# KiCad board ae89fa26-SparkFun_Thing_Plus_ESP32-S3_panelized.kicad_pcb (continued)
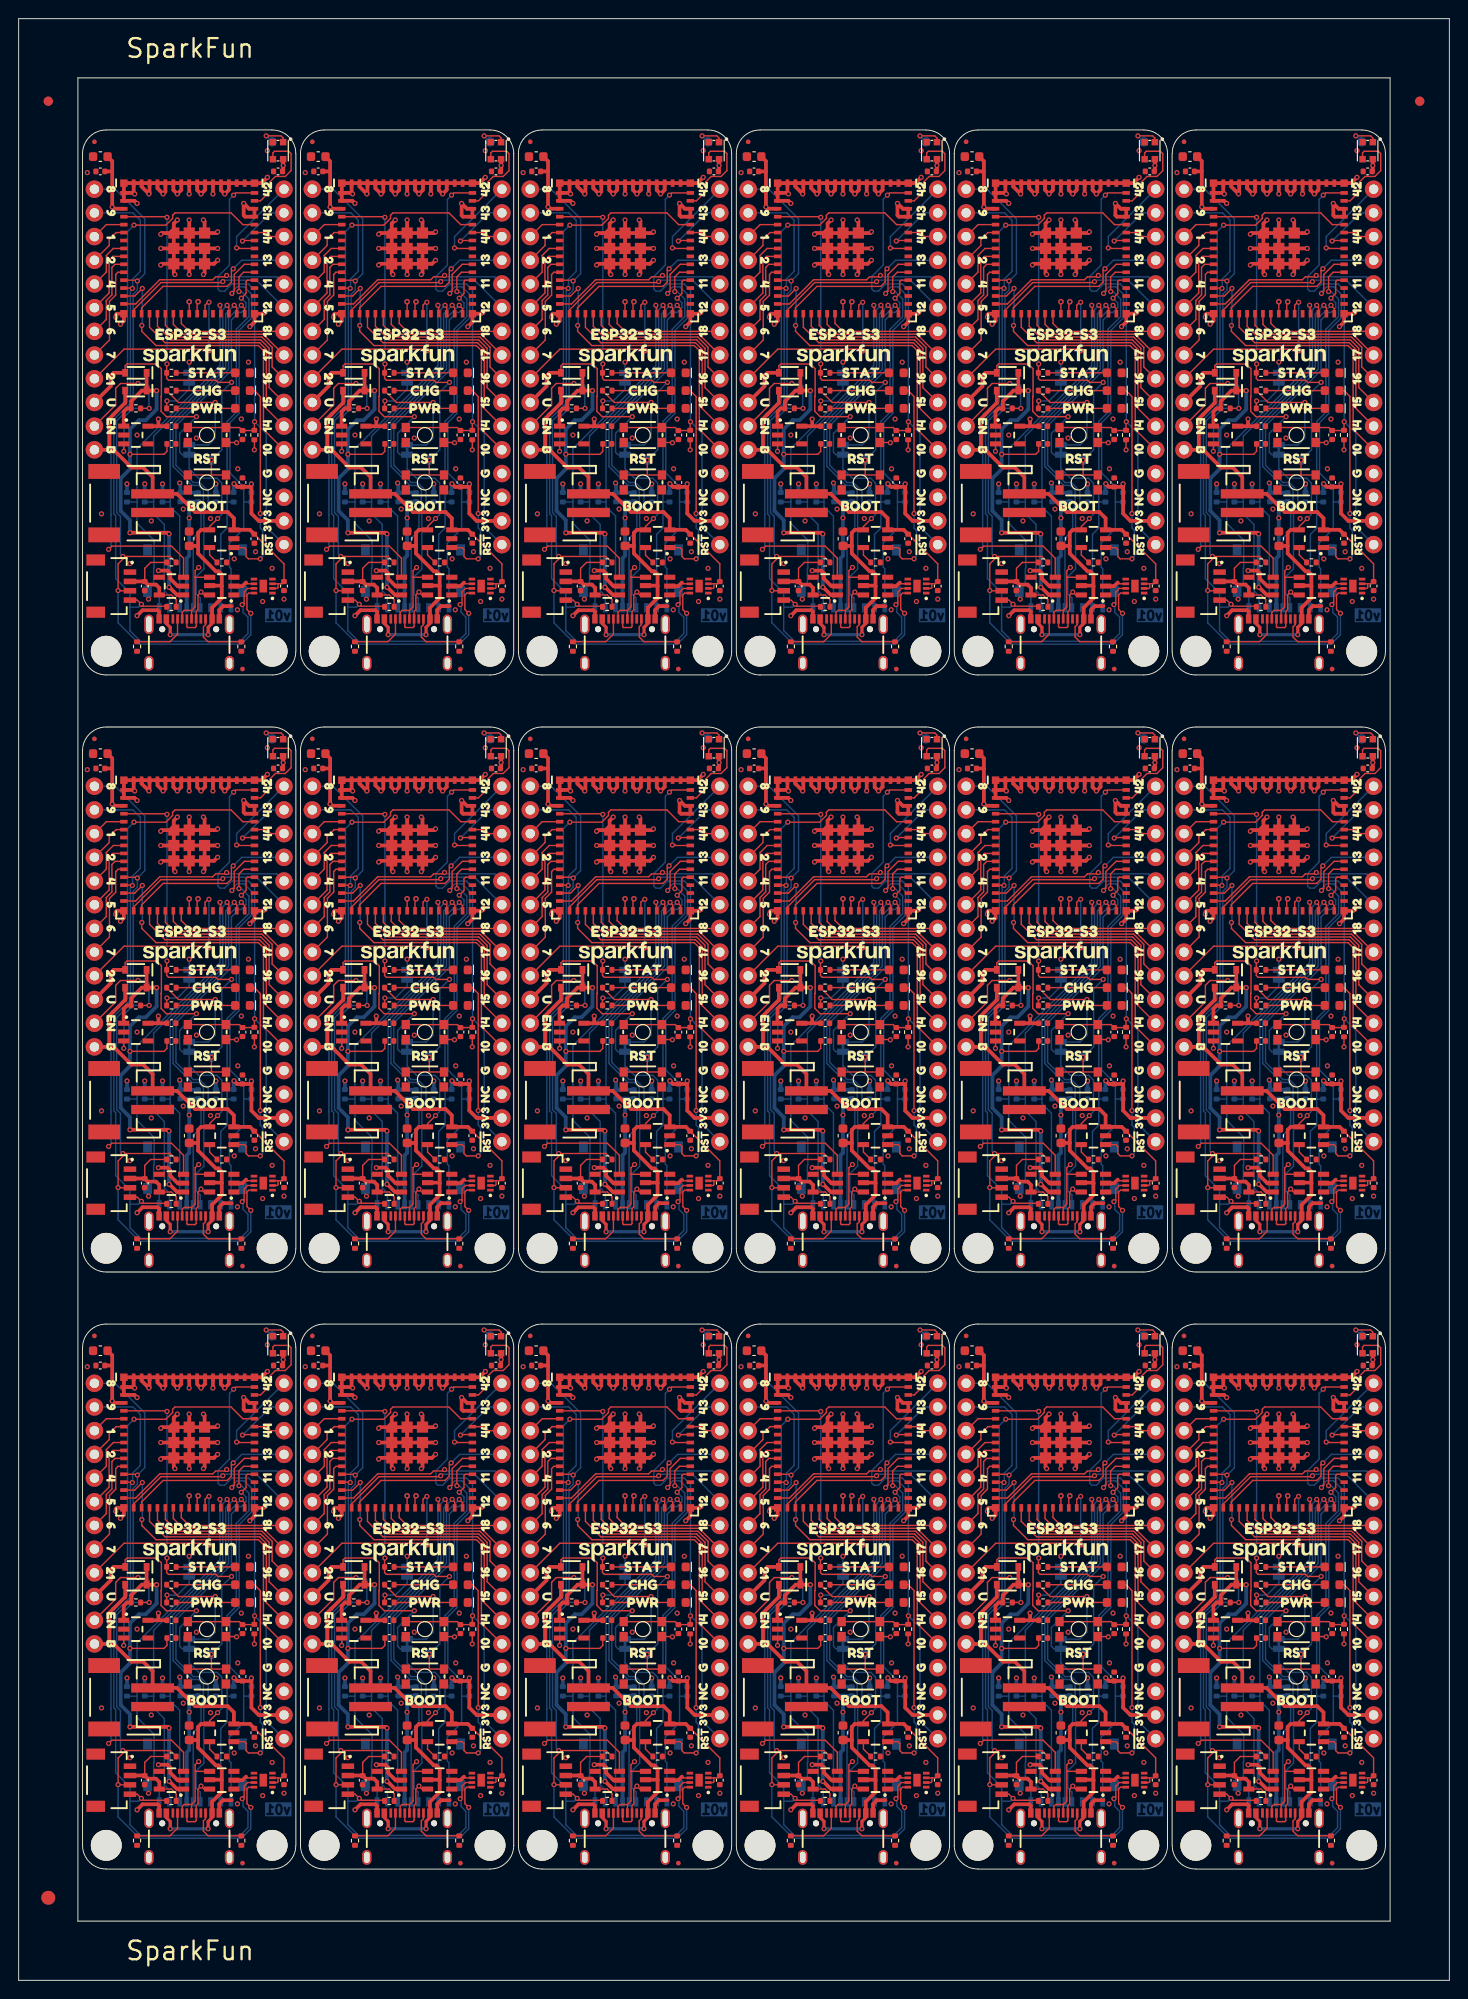
[diagram p0: board, top side]
## Routing (per net, layer and track width the routed paths; a pad name or vN(x,y) marks a point on that pad's centre or on a via; arc(x,y) is an arc through that point) (continued)
11.28,177.89 v1(10.91,177.52) ; U3#9.55 U3#9.54 ; U3#9.55 110.02,127.92 v1(110.45,127.49) 110.87,127.91 U3#9.54 ; U3#13.61 133.43,188.32 v1(133.81,188.7) ; U3#4.59 13.18,128.27 v1(13.96,127.49) 14.03,127.56 U3#4.58 ; U3#4.59 U3#4.58 ; U3#12.60 U3#12.62 U3#12.1 ; U3#12.60 129.13,127.6 ; U3#12.52 135.93,127.91 v1(136.35,127.49) 136.78,127.92 U3#12.51 ; U3#12.52 U3#12.51 ; U3#12.52 U3#12.53 ; U3#10.60 U3#10.59 ; U3#11.61 U3#11.61 ; U3#11.61 v1(88.36,60.7) ; U3#11.61 90.01,60.57 v1(89.88,60.7) ; U3#11.61 91.28,59.3 v1(91.41,59.43) ; U3#7.60 U3#7.62 U3#7.1 ; U3#7.60 59.05,191.6 ; U3#12.61 132.16,120 v1(132.03,119.87) ; U3#12.61 133.43,118.98 v1(133.56,118.86) ; U3#12.61 U3#12.61 ; U3#4.1 U3#4.2 12.42,126.75 v1(12.69,126.48) ; 44.68,120.38 44.3,120 U3#5.61 ; v1(73.13,114.79) 72.99,114.65 U3#8.64 72,113.77 v1(71.5,113.27) ; v1(86.84,118.86) 86.71,118.98 U3#15.61 ; 129.13,63.6 v1(129.24,63.49) ; 89.88,54.86 90.01,54.99 U3#11.61 ; U3#15.59 83.26,128.27 v1(84.04,127.49) 84.11,127.56 U3#15.58 ; U3#15.59 U3#15.60 ; U3#15.59 U3#15.58 ; v1(59.41,146.28) 60,146.87 61.62,146.87 61.78,146.71 J1#13.GND ; U3#2.59 36.54,64.27 v1(37.32,63.49) 37.39,63.56 U3#2.58 ; U3#2.59 U3#2.58 ; U3#2.59 U3#2.60 ; 92.91,83.31 92,83.31 91.59,82.9 J1#5.GND ; U3#7.61 67.92,187.3 v1(68.05,187.43) ; U3#7.61 66.65,188.57 v1(66.52,188.7) ; U3#7.61 U3#7.61 ; U3#17.61 63.35,54.98 v1(63.48,54.86) ; U3#17.61 U3#17.61 ; U3#17.61 62.08,56 v1(61.95,55.87) ; U3#17.61 U3#17.61 ; 69.55,83.31 68.64,83.31 68.22,82.9 J1#8.GND ; U3#8.50 67.55,127.5 v1(67.54,127.49) ; U3#8.50 U3#8.49 ; U3#12.61 132.16,123.3 v1(132.03,123.17) ; U3#12.61 U3#12.61 ; U3#12.61 133.43,124.32 v1(133.81,124.7) ; U3#3.61 U3#3.61 ; U3#3.61 v1(18.28,182.86) ; U3#11.59 U3#11.60 ; U3#11.59 U3#11.58 ; U3#11.59 83.26,64.27 v1(84.04,63.49) 84.11,63.56 U3#11.58 ; J1#14.GND 114.94,82.9 115.36,83.31 116.27,83.31 ; U3#10.61 v1(91.41,185.65) ; U3#11.57 U3#11.58 ; 105.77,191.6 v1(105.88,191.49) ; 105.77,191.6 U3#6.1 ; U3#6.61 v1(108.67,185.65) ; v1(119.85,178.79) 119.71,178.65 U3#6.64 118.72,177.77 v1(118.22,177.27) ; U3#18.61 U3#18.61 ; U3#5.55 U3#5.54 ; U3#5.55 39.94,127.92 v1(40.37,127.49) 40.79,127.91 U3#5.54 ; U3#5.55 U3#5.56 ; U3#5.54 U3#5.53 ; U3#12.61 U3#12.61 ; U3#12.61 v1(132.03,121.65) ; U3#9.48 U3#9.49 ; U3#9.48 U3#9.47 U3#9.46 U3#9.65 119.48,128.65 v1(120.1,129.27) ; U3#9.48 115.97,127.93 v1(115.53,127.49) 115.12,127.9 U3#9.49 ; U3.61 44.3,184 44.68,184.38 ; U3.61 43.29,182.99 43.16,182.86 ; U3.61 U3.61 ; U3#17.61 U3#17.61 ; U3#17.61 U3#17.61 ; U3#17.61 U3#17.61 ; U3#16.54 134.23,63.91 v1(133.81,63.49) 133.38,63.92 U3#16.55 ; U3#16.54 U3#16.55 ; U3#16.54 U3#16.53 ; U3#12.61 U3#12.61 ; U3#5.59 U3#5.60 ; U3#17.61 U3#17.61 ; U3#17.61 U3#17.61 ; U3#17.61 67.66,56 68.04,56.38 ; 59.05,191.6 v1(59.16,191.49) ; 59.05,191.6 U3#7.1 ; U3#17.1 U3#17.2 59.14,62.75 v1(59.41,62.48) ; U3#17.1 59.05,63.6 ; U3#17.1 U3#17.62 U3#17.60 ; v1(36.05,62.48) 35.78,62.75 U3#2.2 U3#2.1 ; 92.91,147.31 92,147.31 91.59,146.9 J1#17.GND ; U3#2.1 U3#2.62 U3#2.60 ; U3#2.1 35.69,63.6 ; v1(114.77,59.43) 114.64,59.3 U3#14.61 ; U3#4.61 21.2,123.3 v1(21.33,123.43) ; U3#4.61 19.93,124.57 v1(19.8,124.7) ; U3#16.61 U3#16.61 ; U3#16.61 v1(135.08,60.7) ; 46.19,83.31 45.28,83.31 44.87,82.9 44.87,81.94 ; 80.49,178.54 80.6,178.65 U3#10.63 81.36,177.89 v1(80.99,177.52) ; U3#5.60 35.69,127.6 ; U3#5.60 U3#5.62 U3#5.1 ; U3#11.49 91.76,63.9 v1(92.17,63.49) 92.61,63.93 U3#11.48 ; U3#11.49 U3#11.50 ; U3#11.49 U3#11.48 ; U3#2.61 39.99,60.32 v1(40.37,60.7) ; U3#2.61 38.72,59.3 v1(38.59,59.17) ; U3#2.61 U3#2.61 ; v1(49.77,114.79) 49.63,114.65 U3#5.64 48.64,113.77 v1(48.14,113.27) ; U1#3.2 87.12,149.46 86.33,150.25 86.33,150.82 86.03,151.11 v1(85.06,151.11) ; U3#12.49 U3#12.50 ; U3#12.49 U3#12.48 ; U3#12.49 138.48,127.9 v1(138.89,127.49) 139.33,127.93 U3#12.48 ; U3#12.50 137.63,127.5 v1(137.62,127.49) ; U3#12.50 U3#12.51 ; U3#14.49 U3#14.50 ; U3#5.61 U3#5.61 ; U3#5.61 U3#5.61 ; U3#5.61 v1(38.59,121.65) ; U3#5.61 38.72,120 v1(38.59,119.87) ; U3#5.61 39.99,118.98 v1(40.12,118.86) ; U3#5.61 U3#5.61 ; U2#4.2 140.79,21.46 141.18,21.84 ; U3#13.55 U3#13.54 ; U3#13.55 133.38,191.92 v1(133.81,191.49) 134.23,191.91 U3#13.54 ; U3#16.61 v1(135.08,54.86) ; U3#16.61 U3#16.61 ; 80.49,50.54 80.6,50.65 U3#11.63 81.36,49.89 v1(80.99,49.52) ; v1(85.31,119.87) 85.44,120 U3#15.61 ; U3#9.61 110.07,118.98 v1(110.2,118.86) ; U3#9.61 108.8,120 v1(108.67,119.87) ; U3#4.56 15.73,127.74 v1(15.49,127.49) 14.88,128.1 U3#4.57 ; U3#4.56 U3#4.57 ; v1(129.49,126.48) 129.22,126.75 U3#12.2 U3#12.1 ; U3#10.59 83.26,192.27 v1(84.04,191.49) 84.11,191.56 U3#10.58 ; U3#10.59 U3#10.58 ; v1(14.98,151.11) 15.95,151.11 16.25,150.82 16.25,150.25 17.04,149.46 U1#16.2 ; U3.51 U3.50 ; v1(129.49,146.28) 130.08,146.87 131.7,146.87 131.85,146.71 131.85,145.94 ; U3#8.61 63.35,124.32 v1(63.73,124.7) ; U3#8.61 62.08,123.3 v1(61.95,123.17) ; v1(106.13,146.28) 106.72,146.87 108.34,146.87 108.5,146.71 J1#7.GND ; U3#18.48 U3#18.47 U3#18.46 U3#18.65 26.04,64.65 v1(26.66,65.27) ; U3#14.61 v1(114.77,57.65) ; U3#14.61 U3#14.61 ; v1(15.23,55.87) 15.36,56 U3#18.61 ; U3#16.61 136.73,60.57 v1(136.6,60.7) ; U3#7.61 v1(68.05,185.65) ; U3#10.55 U3#10.56 ; U3#18.1 U3#18.2 12.42,62.75 v1(12.69,62.48) ; U3#18.1 12.33,63.6 ; U3#3.61 15.36,187.3 v1(15.23,187.17) ; U3#3.61 16.63,188.32 v1(17.01,188.7) ; v1(141.58,49.27) 142.08,49.77 U3#16.64 143.07,50.65 v1(143.21,50.79) ; v1(59.41,82.28) 60,82.87 61.62,82.87 61.78,82.71 J1#8.GND ; 129.13,191.6 v1(129.24,191.49) ; 129.13,191.6 U3#13.60 ; v1(36.05,126.48) 35.78,126.75 U3#5.2 U3#5.1 ; U3#6.57 U3#6.58 ; U3#2.58 U3#2.57 ; v1(10.91,113.52) 11.28,113.89 U3#4.63 10.52,114.65 10.41,114.54 ; J1.GND 21.5,82.9 21.92,83.31 22.83,83.31 ; v1(12.69,146.28) 13.28,146.87 14.9,146.87 15.06,146.71 J1#15.GND ; 24.38,21.84 24,21.46 U2#18.2 ; v1(14.98,87.11) 15.95,87.11 16.25,86.82 16.25,86.25 17.04,85.46 U1.2 ; J1#18.GND 15.06,18.71 14.9,18.87 13.28,18.87 v1(12.69,18.28) ; 117.82,21.84 117.44,21.46 U2#15.2 ; U3#5.61 U3#5.61 ; U3#5.61 v1(41.64,118.86) ; U3#5.61 U3#5.61 ; U3#5.61 43.29,118.99 43.16,118.86 ; U3#17.61 v1(68.05,57.65) ; U3#14.1 U3#14.62 U3#14.60 ; U3#14.1 U3#14.2 105.86,62.75 v1(106.13,62.48) ; U3#9.54 U3#9.53 ; U3#4.49 U3#4.48 ; U3#4.49 21.68,127.9 v1(22.09,127.49) 22.53,127.93 U3#4.48 ; U3#7.61 U3#7.61 ; U3#7.61 v1(61.95,185.65) ; U3#7.61 62.08,184 v1(61.95,183.87) ; U3#7.61 63.35,182.98 v1(63.48,182.86) ; U3#7.61 v1(65,188.7) ; U3#17.55 63.3,63.92 v1(63.73,63.49) 64.15,63.91 U3#17.54 ; U3#17.55 U3#17.56 ; U3#17.55 U3#17.54 ; U3.61 43.29,188.57 v1(43.16,188.7) ; U3#14.61 U3#14.61 ; U3#14.61 U3#14.61 ; U3#13.58 130.83,191.56 v1(130.76,191.49) 129.98,192.27 U3#13.59 ; U3#13.58 U3#13.59 ; v1(80.99,113.52) 81.36,113.89 U3#15.63 80.6,114.65 80.49,114.54 ; 44.68,56.38 44.3,56 U3#2.61 ; v1(85.31,187.17) 85.44,187.3 U3#10.61 ; U3#2.61 43.29,54.99 43.16,54.86 ; U3#2.61 U3#2.61 ; v1(127.71,113.52) 128.08,113.89 U3#12.63 127.32,114.65 127.21,114.54 ; U3#5.52 U3#5.53 ; U3#14.60 U3#14.59 ; 85.13,145.94 85.13,146.71 84.98,146.87 83.36,146.87 v1(82.77,146.28) ; U3#10.61 U3#10.61 ; U3#10.61 v1(85.31,185.65) ; v1(49.77,50.79) 49.63,50.65 U3#2.64 48.64,49.77 v1(48.14,49.27) ; v1(21.33,187.43) 21.2,187.3 U3#3.61 ; v1(19.8,188.7) 19.93,188.57 U3#3.61 ; U3#12.55 U3#12.54 ; U3#12.55 133.38,127.92 v1(133.81,127.49) 134.23,127.91 U3#12.54 ; U3#12.54 U3#12.53 ; v1(106.13,190.48) 105.86,190.75 U3#6.2 U3#6.1 ; U3#11.48 U3#11.47 U3#11.46 U3#11.65 96.12,64.65 v1(96.74,65.27) ; 21.32,120.38 20.94,120 U3#4.61 ; U3#6.61 114.38,184 114.76,184.38 ; U3#10.61 86.71,188.32 v1(87.09,188.7) ; U3#13.61 U3#13.61 ; U3#18.55 U3#18.56 ; U3#8.53 v1(65,127.49) ; U3#16.61 137.74,56 138.12,56.38 ; U3#16.61 136.73,54.99 136.6,54.86 ; U3#16.61 U3#16.61 ; v1(12.69,82.28) 13.28,82.87 14.9,82.87 15.06,82.71 J1.GND ; U3#8.61 U3#8.61 ; U3#8.61 v1(68.05,121.65) ; U3#4.61 19.93,118.99 19.8,118.86 ; U3#17.56 62.45,63.74 v1(62.21,63.49) 61.6,64.1 U3#17.57 ; U3#17.56 U3#17.57 ; U3#11.61 v1(88.36,54.86) ; U3#11.61 U3#11.61 ; U3#8.48 U3#8.47 U3#8.46 U3#8.65 72.76,128.65 v1(73.38,129.27) ; U3#8.48 U3#8.49 ; U3#8.48 69.25,127.93 v1(68.81,127.49) 68.4,127.9 U3#8.49 ; U3#5.61 v1(44.69,121.65) ; U3#11.61 91.02,56 91.4,56.38 ; U3#14.61 v1(111.72,54.86) ; U3#6.61 v1(111.72,188.7) ; U3#3.52 19.13,191.91 v1(19.55,191.49) 19.98,191.92 U3#3.51 ; U3#3.52 U3#3.51 ; 117.82,85.84 117.44,85.46 U2#8.2 ; v1(26.66,129.27) 26.04,128.65 U3#4.65 U3#4.46 U3#4.47 U3#4.48 ; U3#13.59 U3#13.60 ; U3#3.50 20.83,191.5 v1(20.82,191.49) ; U3#3.50 U3#3.49 ; U3#3.50 U3#3.51 ; U3#12.61 v1(138.13,121.65) ; U3#17.54 U3#17.53 ; U3#17.53 U3#17.52 ; U3#17.53 v1(65,63.49) ; U3#5.61 38.72,123.3 v1(38.59,123.17) ; U3#5.61 39.99,124.32 v1(40.37,124.7) ; v1(85.06,23.11) 86.03,23.11 86.33,22.82 86.33,22.25 87.12,21.46 U1#8.2 ; U3#18.57 14.88,64.1 v1(15.49,63.49) 15.73,63.74 U3#18.56 ; U3#18.57 U3#18.56 ; U3#17.61 v1(65,54.86) ; v1(94.86,177.27) 95.36,177.77 U3#10.64 96.35,178.65 v1(96.49,178.79) ; U3.58 U3.59 ; U3.58 37.39,191.56 v1(37.32,191.49) 36.54,192.27 U3.59 ; U3.59 U3.60 ; U3#17.61 v1(61.95,57.65) ; U3#2.50 44.19,63.5 v1(44.18,63.49) ; 44.87,145.94 44.87,146.9 45.28,147.31 46.19,147.31 ; U3#11.52 U3#11.53 ; U3#2.52 U3#2.53 ; v1(108.42,23.11) 109.39,23.11 109.69,22.82 109.69,22.25 110.48,21.46 U1#7.2 ; U3#13.61 v1(138.13,185.65) ; U3#16.55 U3#16.56 ; v1(114.26,63.49) 114.27,63.5 U3#14.50 ; 35.69,127.6 v1(35.8,127.49) ; 35.69,127.6 U3#5.1 ; U3#4.57 U3#4.58 ; v1(34.27,49.52) 34.64,49.89 U3#2.63 33.88,50.65 33.77,50.54 ; 139.63,147.31 138.72,147.31 138.31,146.9 J1#11.GND ; U3#11.53 v1(88.36,63.49) ; 22.83,19.31 21.92,19.31 21.5,18.9 J1#18.GND ; U3#2.54 U3#2.53 ; 10.41,50.54 10.52,50.65 U3#18.63 11.28,49.89 v1(10.91,49.52) ; v1(38.59,187.17) 38.72,187.3 U3.61 ; 139.63,83.31 138.72,83.31 138.31,82.9 J1#10.GND ; U2#6.2 70.72,149.46 71.1,149.84 ; U3#9.61 U3#9.61 ; U3#9.61 v1(111.72,124.7) ; U3#9.61 108.8,123.3 v1(108.67,123.17) ; U2#2.2 24,85.46 24.38,85.84 ; v1(61.7,151.11) 62.67,151.11 62.97,150.82 62.97,150.25 63.76,149.46 U1#10.2 ; v1(106.13,82.28) 106.72,82.87 108.34,82.87 108.5,82.71 J1#14.GND ; 59.05,63.6 v1(59.16,63.49) ; 59.05,63.6 U3#17.60 ; v1(61.7,23.11) 62.67,23.11 62.97,22.82 62.97,22.25 63.76,21.46 U1#11.2 ; U3#16.53 v1(135.08,63.49) ; U3#16.61 v1(138.13,57.65) ; U1#13.2 87.12,85.46 86.33,86.25 86.33,86.82 86.03,87.11 v1(85.06,87.11) ; v1(96.49,50.79) 96.35,50.65 U3#11.64 95.36,49.77 v1(94.86,49.27) ; 94.46,21.84 94.07,21.46 U2#11.2 ; v1(138.13,187.43) 138,187.3 U3#13.61 ; J1#6.GND 108.5,18.71 108.34,18.87 106.72,18.87 v1(106.13,18.28) ; U3#14.61 v1(111.72,60.7) ; U3#14.61 U3#14.61 ; U3#12.1 129.13,127.6 ; v1(94.86,113.27) 95.36,113.77 U3#15.64 96.35,114.65 v1(96.49,114.79) ; v1(26.41,178.79) 26.27,178.65 U3#3.64 25.28,177.77 v1(24.78,177.27) ; 69.55,19.31 68.64,19.31 68.22,18.9 J1#2.GND ; U3#2.53 v1(41.64,63.49) ; 129.13,127.6 v1(129.24,127.49) ; v1(38.34,87.11) 39.31,87.11 39.61,86.82 39.61,86.25 40.4,85.46 U1#14.2 ; U3#2.61 v1(44.69,57.65) ; U3#12.53 v1(135.08,127.49) ; v1(141.58,113.27) 142.08,113.77 U3#12.64 143.07,114.65 v1(143.21,114.79) ; U3#2.60 35.69,63.6 ; 35.69,63.6 v1(35.8,63.49) ; 57.13,114.54 57.24,114.65 U3#8.63 58,113.89 v1(57.63,113.52) ; 12.33,63.6 v1(12.44,63.49) ; U3#18.61 v1(21.33,57.65) ; U3#14.61 113.37,60.57 v1(113.24,60.7) ; 22.83,147.31 21.92,147.31 21.5,146.9 J1#15.GND ; U3.61 39.99,188.32 v1(40.37,188.7) ; U2#7.2 140.79,85.46 141.18,85.84 ; v1(119.85,114.79) 119.71,114.65 U3#9.64 118.72,113.77 v1(118.22,113.27) ; 46.19,19.31 45.28,19.31 44.87,18.9 44.87,17.94 ; v1(104.35,177.52) 104.72,177.89 U3#6.63 103.96,178.65 103.85,178.54 ; 85.13,17.94 85.13,18.71 84.98,18.87 83.36,18.87 v1(82.77,18.28) ; U3#5.53 v1(41.64,127.49) ; 116.27,147.31 115.36,147.31 114.94,146.9 J1#7.GND ; U2#14.2 70.72,85.46 71.1,85.84 ; v1(143.21,178.79) 143.07,178.65 U3#13.64 142.08,177.77 v1(141.58,177.27) ; U3#9.53 v1(111.72,127.49) ; U3.61 v1(44.69,185.65) ; 94.46,85.84 94.07,85.46 U2#9.2 ; U2#10.2 140.79,149.46 141.18,149.84 ; U1#5.2 40.4,21.46 39.61,22.25 39.61,22.82 39.31,23.11 v1(38.34,23.11) ; v1(127.71,177.52) 128.08,177.89 U3#13.63 127.32,178.65 127.21,178.54 ; U1#12.2 110.48,149.46 109.69,150.25 109.69,150.82 109.39,151.11 v1(108.42,151.11) ; 71.1,21.84 70.72,21.46 U2#5.2 ; U3#2.61 v1(38.59,57.65) ; U3#12.42 141.08,125.05 140.92,125.21 v1(140.92,126.48) 141.5,125.9 U3#12.43 U3#12.42 ; 140.92,61.21 v1(140.92,62.48) 141.5,61.9 U3#16.43 U3#16.42 141.08,61.05 140.92,61.21 ; U3#18.42 24.28,61.05 24.12,61.21 v1(24.12,62.48) 24.7,61.9 U3#18.43 U3#18.42 ; 71.42,189.9 v1(70.84,190.48) 70.84,189.21 71,189.05 U3#7.42 U3#7.43 71.42,189.9 ; 24.28,125.05 24.12,125.21 v1(24.12,126.48) 24.7,125.9 U3#4.43 U3#4.42 24.28,125.05 ; 118.14,61.9 v1(117.56,62.48) 117.56,61.21 117.72,61.05 U3#14.42 U3#14.43 118.14,61.9 ; 94.36,189.05 94.2,189.21 v1(94.2,190.48) 94.78,189.9 U3#10.43 U3#10.42 94.36,189.05 ; 94.36,125.05 94.2,125.21 v1(94.2,126.48) 94.78,125.9 U3#15.43 U3#15.42 94.36,125.05 ; 47.64,189.05 47.48,189.21 v1(47.48,190.48) 48.06,189.9 U3.43 U3.42 47.64,189.05 ; U3#3.43 24.7,189.9 v1(24.12,190.48) 24.12,189.21 24.28,189.05 U3#3.42 U3#3.43 ; 94.36,61.05 94.2,61.21 v1(94.2,62.48) 94.78,61.9 U3#11.43 U3#11.42 94.36,61.05 ; 117.56,189.21 v1(117.56,190.48) 118.14,189.9 U3#6.43 U3#6.42 117.72,189.05 117.56,189.21 ; 117.56,125.21 v1(117.56,126.48) 118.14,125.9 U3#9.43 U3#9.42 117.72,125.05 117.56,125.21 ; 141.5,189.9 v1(140.92,190.48) 140.92,189.21 141.08,189.05 U3#13.42 U3#13.43 141.5,189.9 ; 70.84,61.21 v1(70.84,62.48) 71.42,61.9 U3#17.43 U3#17.42 71,61.05 70.84,61.21 ; 71,125.05 70.84,125.21 v1(70.84,126.48) 71.42,125.9 U3#8.43 U3#8.42 71,125.05 ; 48.06,61.9 v1(47.48,62.48) 47.48,61.21 47.64,61.05 U3#2.42 U3#2.43 48.06,61.9 ; U3#5.42 U3#5.43 48.06,125.9 v1(47.48,126.48) 47.48,125.21 47.64,125.05 U3#5.42
  Bottom w0.406: v1(110.7,160.5) 110.77,160.44 C4#15.2 C5#16.2 ; C5#10.2 C4#12.2 87.41,96.44 v1(87.34,96.5) ; C5#12.2 C4#13.2 87.41,160.44 v1(87.34,160.5) ; C5#18.2 C4.2 17.33,32.44 v1(17.26,32.5) ; C5#4.2 C4#10.2 40.69,32.44 v1(40.62,32.5) ; C5#5.2 C4#4.2 40.69,96.44 v1(40.62,96.5) ; v1(134.06,32.5) 134.13,32.44 C4#16.2 C5#13.2 ; v1(87.34,32.5) 87.41,32.44 C4#11.2 C5#11.2 ; v1(110.7,32.5) 110.77,32.44 C4#3.2 C5#3.2 ; C5#2.2 C4#6.2 17.33,96.44 v1(17.26,96.5) ; C5#14.2 C4#18.2 134.13,160.44 v1(134.06,160.5) ; C5.2 C4#8.2 17.33,160.44 v1(17.26,160.5) ; v1(134.06,96.5) 134.13,96.44 C4#17.2 C5#17.2 ; C5#15.2 C4#14.2 110.77,96.44 v1(110.7,96.5) ; C5#8.2 C4#7.2 64.05,32.44 v1(63.98,32.5) ; C5#7.2 C4#9.2 64.05,96.44 v1(63.98,96.5) ; v1(40.62,160.5) 40.69,160.44 C4#5.2 C5#6.2 ; v1(63.98,160.5) 64.05,160.44 C4#2.2 C5#9.2
  vias: v1(7.36,193.78) v1(7.36,129.78) v1(7.36,65.78) v1(8.88,157.2) v1(8.88,93.2) v1(8.88,29.2) v1(10.41,178.28) v1(10.41,114.28) v1(10.41,50.28) v1(11.93,151.87) v1(11.93,87.87) v1(11.93,23.87) v1(12.69,165.65) v1(12.69,101.65) v1(12.69,37.65) v1(13.92,148.06) v1(13.92,84.06) v1(13.92,20.06) v1(14.22,156.44) v1(14.22,92.44) v1(14.22,28.44) v1(17.64,157.71) v1(17.64,93.71) v1(17.64,29.71) v1(19.05,165.32) v1(19.05,101.32) v1(19.05,37.32) v1(19.8,182.86) v1(19.8,118.86) v1(19.8,54.86) v1(20.57,156.69) v1(20.57,92.69) v1(20.57,28.69) v1(21.33,184.38) v1(21.33,120.38) v1(21.33,56.38) v1(23.11,152.38) v1(23.11,88.38) v1(23.11,24.38) v1(23.49,162.03) v1(23.45,146.92) v1(23.49,98.03) v1(23.45,82.92) v1(23.49,34.03) v1(23.45,18.92) v1(23.87,167.36) v1(23.87,103.36) v1(23.87,39.36) v1(24.63,173.46) v1(24.63,109.46) v1(24.63,45.46) v1(25.39,153.14) v1(25.39,89.14) v1(25.39,25.14) v1(26.15,147.8) v1(26.15,83.8) v1(26.15,19.8) v1(26.66,196.13) v1(26.66,132.13) v1(26.66,68.13) v1(27.17,151.36) v1(27.17,87.36) v1(27.17,23.36) v1(28.44,148.06) v1(28.44,84.06) v1(28.44,20.06) v1(30.72,193.78) v1(30.72,129.78) v1(30.72,65.78) v1(32.24,157.2) v1(32.24,93.2) v1(32.24,29.2) v1(33.77,178.28) v1(33.77,114.28) v1(33.77,50.28) v1(35.29,151.87) v1(35.29,87.87) v1(35.29,23.87) v1(36.05,165.65) v1(36.05,101.65) v1(36.05,37.65) v1(37.28,148.06) v1(37.28,84.06) v1(37.28,20.06) v1(37.58,156.44) v1(37.58,92.44) v1(37.58,28.44) v1(41,157.71) v1(41,93.71) v1(41,29.71) v1(42.41,165.32) v1(42.41,101.32) v1(42.41,37.32) v1(43.16,182.86) v1(43.16,118.86) v1(43.16,54.86) v1(43.93,156.69) v1(43.93,92.69) v1(43.93,28.69) v1(44.69,184.38) v1(44.69,120.38) v1(44.69,56.38) v1(46.47,152.38) v1(46.47,88.38) v1(46.47,24.38) v1(46.85,162.03) v1(46.81,146.92) v1(46.85,98.03) v1(46.81,82.92) v1(46.85,34.03) v1(46.81,18.92) v1(47.23,167.36) v1(47.23,103.36) v1(47.23,39.36) v1(47.99,173.46) v1(47.99,109.46) v1(47.99,45.46) v1(48.75,153.14) v1(48.75,89.14) v1(48.75,25.14) v1(49.51,147.8) v1(49.51,83.8) v1(49.51,19.8) v1(50.02,196.13) v1(50.02,132.13) v1(50.02,68.13) v1(50.53,151.36) v1(50.53,87.36) v1(50.53,23.36) v1(51.8,148.06) v1(51.8,84.06) v1(51.8,20.06) v1(54.08,193.78) v1(54.08,129.78) v1(54.08,65.78) v1(55.6,157.2) v1(55.6,93.2) v1(55.6,29.2) v1(57.13,178.28) v1(57.13,114.28) v1(57.13,50.28) v1(58.65,151.87) v1(58.65,87.87) v1(58.65,23.87) v1(59.41,165.65) v1(59.41,101.65) v1(59.41,37.65) v1(60.64,148.06) v1(60.64,84.06) v1(60.64,20.06) v1(60.94,156.44) v1(60.94,92.44) v1(60.94,28.44) v1(64.36,157.71) v1(64.36,93.71) v1(64.36,29.71) v1(65.77,165.32) v1(65.77,101.32) v1(65.77,37.32) v1(66.52,182.86) v1(66.52,118.86) v1(66.52,54.86) v1(67.29,156.69) v1(67.29,92.69) v1(67.29,28.69) v1(68.05,184.38) v1(68.05,120.38) v1(68.05,56.38) v1(69.83,152.38) v1(69.83,88.38) v1(69.83,24.38) v1(70.17,146.92) v1(70.17,82.92) v1(70.17,18.92) v1(70.21,162.03) v1(70.21,98.03) v1(70.21,34.03) v1(70.59,167.36) v1(70.59,103.36) v1(70.59,39.36) v1(71.35,173.46) v1(71.35,109.46) v1(71.35,45.46) v1(72.11,153.14) v1(72.11,89.14) v1(72.11,25.14) v1(72.87,147.8) v1(72.87,83.8) v1(72.87,19.8) v1(73.38,196.13) v1(73.38,132.13) v1(73.38,68.13) v1(73.89,151.36) v1(73.89,87.36) v1(73.89,23.36) v1(75.16,148.06) v1(75.16,84.06) v1(75.16,20.06) v1(77.44,193.78) v1(77.44,129.78) v1(77.44,65.78) v1(78.96,157.2) v1(78.96,93.2) v1(78.96,29.2) v1(80.49,178.28) v1(80.49,114.28) v1(80.49,50.28) v1(82.01,151.87) v1(82.01,87.87) v1(82.01,23.87) v1(82.77,165.65) v1(82.77,101.65) v1(82.77,37.65) v1(84,148.06) v1(84,84.06) v1(84,20.06) v1(84.3,156.44) v1(84.3,92.44) v1(84.3,28.44) v1(87.72,157.71) v1(87.72,93.71) v1(87.72,29.71) v1(89.13,165.32) v1(89.13,101.32) v1(89.13,37.32) v1(89.88,182.86) v1(89.88,118.86) v1(89.88,54.86) v1(90.65,156.69) v1(90.65,92.69) v1(90.65,28.69) v1(91.41,184.38) v1(91.41,120.38) v1(91.41,56.38) v1(93.19,152.38) v1(93.19,88.38) v1(93.19,24.38) v1(93.57,162.03) v1(93.53,146.92) v1(93.57,98.03) v1(93.53,82.92) v1(93.57,34.03) v1(93.53,18.92) v1(93.95,167.36) v1(93.95,103.36) v1(93.95,39.36) v1(94.71,173.46) v1(94.71,109.46) v1(94.71,45.46) v1(95.47,153.14) v1(95.47,89.14) v1(95.47,25.14) v1(96.23,147.8) v1(96.23,83.8) v1(96.23,19.8) v1(96.74,196.13) v1(96.74,132.13) v1(96.74,68.13) v1(97.25,151.36) v1(97.25,87.36) v1(97.25,23.36) v1(98.52,148.06) v1(98.52,84.06) v1(98.52,20.06) v1(100.8,193.78) v1(100.8,129.78) v1(100.8,65.78) v1(102.32,157.2) v1(102.32,93.2) v1(102.32,29.2) v1(103.85,178.28) v1(103.85,114.28) v1(103.85,50.28) v1(105.37,151.87) v1(105.37,87.87) v1(105.37,23.87) v1(106.13,165.65) v1(106.13,101.65) v1(106.13,37.65) v1(107.36,148.06) v1(107.36,84.06) v1(107.36,20.06) v1(107.66,156.44) v1(107.66,92.44) v1(107.66,28.44) v1(111.08,157.71) v1(111.08,93.71) v1(111.08,29.71) v1(112.49,165.32) v1(112.49,101.32) v1(112.49,37.32) v1(113.24,182.86) v1(113.24,118.86) v1(113.24,54.86) v1(114.01,156.69) v1(114.01,92.69) v1(114.01,28.69) v1(114.77,184.38) v1(114.77,120.38) v1(114.77,56.38) v1(116.55,152.38) v1(116.55,88.38) v1(116.55,24.38) v1(116.89,146.92) v1(116.89,82.92) v1(116.89,18.92) v1(116.93,162.03) v1(116.93,98.03) v1(116.93,34.03) v1(117.31,167.36) v1(117.31,103.36) v1(117.31,39.36) v1(118.07,173.46) v1(118.07,109.46) v1(118.07,45.46) v1(118.83,153.14) v1(118.83,89.14) v1(118.83,25.14) v1(119.59,147.8) v1(119.59,83.8) v1(119.59,19.8) v1(120.1,196.13) v1(120.1,132.13) v1(120.1,68.13) v1(120.61,151.36) v1(120.61,87.36) v1(120.61,23.36) v1(121.88,148.06) v1(121.88,84.06) v1(121.88,20.06) v1(124.16,193.78) v1(124.16,129.78) v1(124.16,65.78) v1(125.68,157.2) v1(125.68,93.2) v1(125.68,29.2) v1(127.21,178.28) v1(127.21,114.28) v1(127.21,50.28) v1(128.73,151.87) v1(128.73,87.87) v1(128.73,23.87) v1(129.49,165.65) v1(129.49,101.65) v1(129.49,37.65) v1(130.72,148.06) v1(130.72,84.06) v1(130.72,20.06) v1(131.02,156.44) v1(131.02,92.44) v1(131.02,28.44) v1(134.44,157.71) v1(134.44,93.71) v1(134.44,29.71) v1(135.85,165.32) v1(135.85,101.32) v1(135.85,37.32) v1(136.6,182.86) v1(136.6,118.86) v1(136.6,54.86) v1(137.37,156.69) v1(137.37,92.69) v1(137.37,28.69) v1(138.13,184.38) v1(138.13,120.38) v1(138.13,56.38) v1(139.91,152.38) v1(139.91,88.38) v1(139.91,24.38) v1(140.29,162.03) v1(140.25,146.92) v1(140.29,98.03) v1(140.25,82.92) v1(140.29,34.03) v1(140.25,18.92) v1(140.67,167.36) v1(140.67,103.36) v1(140.67,39.36) v1(141.43,173.46) v1(141.43,109.46) v1(141.43,45.46) v1(142.19,153.14) v1(142.19,89.14) v1(142.19,25.14) v1(142.95,147.8) v1(142.95,83.8) v1(142.95,19.8) v1(143.46,196.13) v1(143.46,132.13) v1(143.46,68.13) v1(143.97,151.36) v1(143.97,87.36) v1(143.97,23.36) v1(145.24,148.06) v1(145.24,84.06) v1(145.24,20.06)
